# KiCad board panel.opm-inline.kicad_pcb (continued)
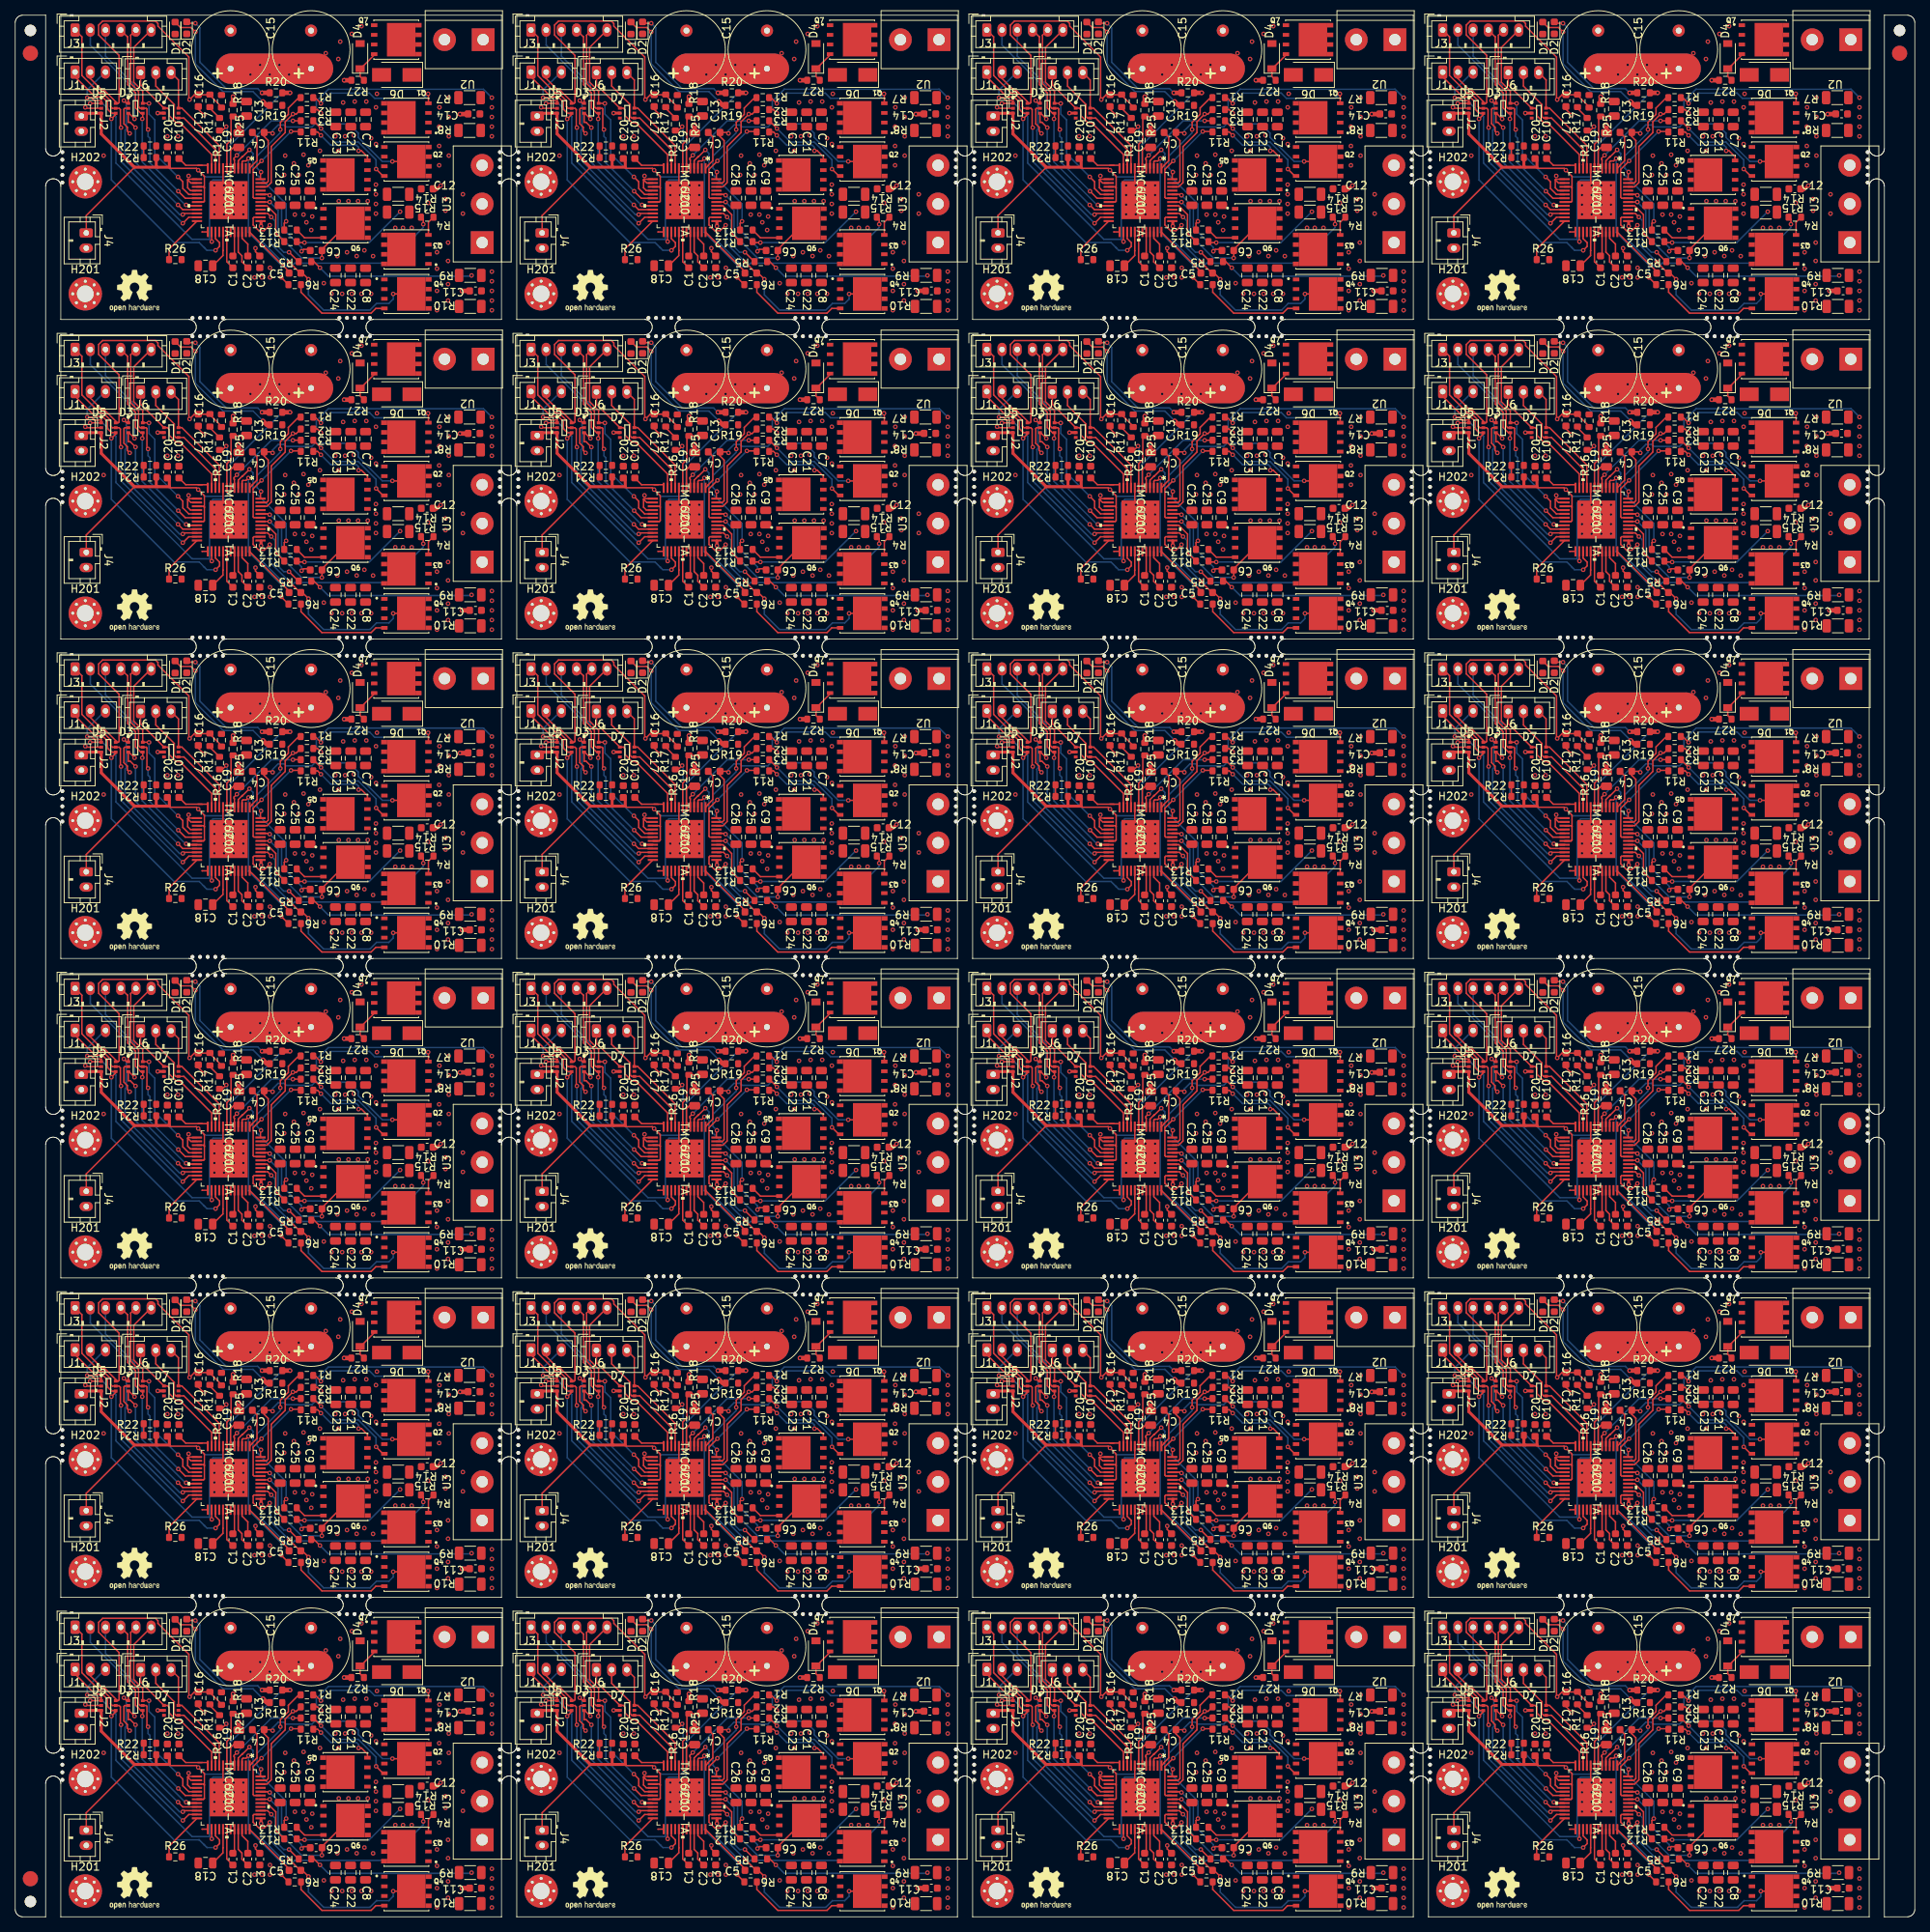
[diagram p0: board, top side]
## Placement (name value [footprint] x y rotation side) (continued)
H202#22  MountingHole  [MountingHole_2.2mm_M2_Pad_Via]  69.17 102.1 0 top
H202#23  MountingHole  [MountingHole_2.2mm_M2_Pad_Via]  69.17 18.12 0 top
H202#24  MountingHole  [MountingHole_2.2mm_M2_Pad_Via]  9.21 228.07 0 top
HS1  Heatsink  [OSHW-Logo2_7.3x6mm_SilkScreen]  195.54 45.76 0 top
HS1#2  Heatsink  [OSHW-Logo2_7.3x6mm_SilkScreen]  75.64 87.75 0 top
HS1#3  Heatsink  [OSHW-Logo2_7.3x6mm_SilkScreen]  75.64 129.74 0 top
HS1#4  Heatsink  [OSHW-Logo2_7.3x6mm_SilkScreen]  15.69 213.72 0 top
HS1#5  Heatsink  [OSHW-Logo2_7.3x6mm_SilkScreen]  135.59 3.77 0 top
HS1#6  Heatsink  [OSHW-Logo2_7.3x6mm_SilkScreen]  195.54 129.74 0 top
HS1#7  Heatsink  [OSHW-Logo2_7.3x6mm_SilkScreen]  75.64 171.73 0 top
HS1#8  Heatsink  [OSHW-Logo2_7.3x6mm_SilkScreen]  135.59 129.74 0 top
HS1#9  Heatsink  [OSHW-Logo2_7.3x6mm_SilkScreen]  195.54 171.73 0 top
HS1#10  Heatsink  [OSHW-Logo2_7.3x6mm_SilkScreen]  75.64 45.76 0 top
HS1#11  Heatsink  [OSHW-Logo2_7.3x6mm_SilkScreen]  195.54 87.75 0 top
HS1#12  Heatsink  [OSHW-Logo2_7.3x6mm_SilkScreen]  75.64 3.77 0 top
HS1#13  Heatsink  [OSHW-Logo2_7.3x6mm_SilkScreen]  15.69 45.76 0 top
HS1#14  Heatsink  [OSHW-Logo2_7.3x6mm_SilkScreen]  195.54 213.72 0 top
HS1#15  Heatsink  [OSHW-Logo2_7.3x6mm_SilkScreen]  135.59 213.72 0 top
HS1#16  Heatsink  [OSHW-Logo2_7.3x6mm_SilkScreen]  15.69 3.77 0 top
HS1#17  Heatsink  [OSHW-Logo2_7.3x6mm_SilkScreen]  75.64 213.72 0 top
HS1#18  Heatsink  [OSHW-Logo2_7.3x6mm_SilkScreen]  135.59 171.73 0 top
HS1#19  Heatsink  [OSHW-Logo2_7.3x6mm_SilkScreen]  135.59 45.76 0 top
HS1#20  Heatsink  [OSHW-Logo2_7.3x6mm_SilkScreen]  135.59 87.75 0 top
HS1#21  Heatsink  [OSHW-Logo2_7.3x6mm_SilkScreen]  195.54 3.77 0 top
HS1#22  Heatsink  [OSHW-Logo2_7.3x6mm_SilkScreen]  15.69 87.75 0 top
HS1#23  Heatsink  [OSHW-Logo2_7.3x6mm_SilkScreen]  15.69 171.73 0 top
HS1#24  Heatsink  [OSHW-Logo2_7.3x6mm_SilkScreen]  15.69 129.74 0 top
IC1  -  [TMC6200-TA]  147.98 99.68 270 top
IC1#2  -  [TMC6200-TA]  28.08 57.69 270 top
IC1#3  -  [TMC6200-TA]  28.08 225.65 270 top
IC1#4  -  [TMC6200-TA]  147.98 141.67 270 top
IC1#5  -  [TMC6200-TA]  147.98 183.66 270 top
IC1#6  -  [TMC6200-TA]  207.93 183.66 270 top
IC1#7  -  [TMC6200-TA]  88.03 183.66 270 top
IC1#8  -  [TMC6200-TA]  207.93 141.67 270 top
IC1#9  -  [TMC6200-TA]  207.93 99.68 270 top
IC1#10  -  [TMC6200-TA]  207.93 225.65 270 top
IC1#11  -  [TMC6200-TA]  147.98 225.65 270 top
IC1#12  -  [TMC6200-TA]  28.08 183.66 270 top
IC1#13  -  [TMC6200-TA]  88.03 141.67 270 top
IC1#14  -  [TMC6200-TA]  28.08 15.7 270 top
IC1#15  -  [TMC6200-TA]  207.93 15.7 270 top
IC1#16  -  [TMC6200-TA]  88.03 225.65 270 top
IC1#17  -  [TMC6200-TA]  147.98 15.7 270 top
IC1#18  -  [TMC6200-TA]  207.93 57.69 270 top
IC1#19  -  [TMC6200-TA]  88.03 99.68 270 top
IC1#20  -  [TMC6200-TA]  147.98 57.69 270 top
IC1#21  -  [TMC6200-TA]  88.03 57.69 270 top
IC1#22  -  [TMC6200-TA]  28.08 99.68 270 top
IC1#23  -  [TMC6200-TA]  28.08 141.67 270 top
IC1#24  -  [TMC6200-TA]  88.03 15.7 270 top
J1  Info  [JST_PH_B3B-PH-K_1x03_P2.00mm_Vertical]  67.82 158.5 0 top
J1#2  Info  [JST_PH_B3B-PH-K_1x03_P2.00mm_Vertical]  127.77 116.51 0 top
J1#3  Info  [JST_PH_B3B-PH-K_1x03_P2.00mm_Vertical]  67.82 32.53 0 top
J1#4  Info  [JST_PH_B3B-PH-K_1x03_P2.00mm_Vertical]  67.82 116.51 0 top
J1#5  Info  [JST_PH_B3B-PH-K_1x03_P2.00mm_Vertical]  187.72 242.48 0 top
J1#6  Info  [JST_PH_B3B-PH-K_1x03_P2.00mm_Vertical]  7.87 116.51 0 top
J1#7  Info  [JST_PH_B3B-PH-K_1x03_P2.00mm_Vertical]  7.87 200.49 0 top
J1#8  Info  [JST_PH_B3B-PH-K_1x03_P2.00mm_Vertical]  187.72 158.5 0 top
J1#9  Info  [JST_PH_B3B-PH-K_1x03_P2.00mm_Vertical]  7.87 242.48 0 top
J1#10  Info  [JST_PH_B3B-PH-K_1x03_P2.00mm_Vertical]  7.87 74.52 0 top
J1#11  Info  [JST_PH_B3B-PH-K_1x03_P2.00mm_Vertical]  7.87 158.5 0 top
J1#12  Info  [JST_PH_B3B-PH-K_1x03_P2.00mm_Vertical]  7.87 32.53 0 top
J1#13  Info  [JST_PH_B3B-PH-K_1x03_P2.00mm_Vertical]  127.77 242.48 0 top
J1#14  Info  [JST_PH_B3B-PH-K_1x03_P2.00mm_Vertical]  67.82 200.49 0 top
J1#15  Info  [JST_PH_B3B-PH-K_1x03_P2.00mm_Vertical]  67.82 242.48 0 top
J1#16  Info  [JST_PH_B3B-PH-K_1x03_P2.00mm_Vertical]  127.77 74.52 0 top
J1#17  Info  [JST_PH_B3B-PH-K_1x03_P2.00mm_Vertical]  187.72 32.53 0 top
J1#18  Info  [JST_PH_B3B-PH-K_1x03_P2.00mm_Vertical]  127.77 200.49 0 top
J1#19  Info  [JST_PH_B3B-PH-K_1x03_P2.00mm_Vertical]  187.72 200.49 0 top
J1#20  Info  [JST_PH_B3B-PH-K_1x03_P2.00mm_Vertical]  127.77 158.5 0 top
J1#21  Info  [JST_PH_B3B-PH-K_1x03_P2.00mm_Vertical]  187.72 74.52 0 top
J1#22  Info  [JST_PH_B3B-PH-K_1x03_P2.00mm_Vertical]  187.72 116.51 0 top
J1#23  Info  [JST_PH_B3B-PH-K_1x03_P2.00mm_Vertical]  67.82 74.52 0 top
J1#24  Info  [JST_PH_B3B-PH-K_1x03_P2.00mm_Vertical]  127.77 32.53 0 top
J2  VCC_IO  [JST_PH_B2B-PH-K_1x02_P2.00mm_Vertical]  8.71 68.74 270 top
J2#2  VCC_IO  [JST_PH_B2B-PH-K_1x02_P2.00mm_Vertical]  128.61 194.71 270 top
J2#3  VCC_IO  [JST_PH_B2B-PH-K_1x02_P2.00mm_Vertical]  8.71 194.71 270 top
J2#4  VCC_IO  [JST_PH_B2B-PH-K_1x02_P2.00mm_Vertical]  68.66 110.73 270 top
J2#5  VCC_IO  [JST_PH_B2B-PH-K_1x02_P2.00mm_Vertical]  188.56 152.72 270 top
J2#6  VCC_IO  [JST_PH_B2B-PH-K_1x02_P2.00mm_Vertical]  8.71 110.73 270 top
J2#7  VCC_IO  [JST_PH_B2B-PH-K_1x02_P2.00mm_Vertical]  188.56 236.7 270 top
J2#8  VCC_IO  [JST_PH_B2B-PH-K_1x02_P2.00mm_Vertical]  188.56 68.74 270 top
J2#9  VCC_IO  [JST_PH_B2B-PH-K_1x02_P2.00mm_Vertical]  128.61 68.74 270 top
J2#10  VCC_IO  [JST_PH_B2B-PH-K_1x02_P2.00mm_Vertical]  188.56 26.75 270 top
J2#11  VCC_IO  [JST_PH_B2B-PH-K_1x02_P2.00mm_Vertical]  188.56 110.73 270 top
J2#12  VCC_IO  [JST_PH_B2B-PH-K_1x02_P2.00mm_Vertical]  68.66 26.75 270 top
J2#13  VCC_IO  [JST_PH_B2B-PH-K_1x02_P2.00mm_Vertical]  188.56 194.71 270 top
J2#14  VCC_IO  [JST_PH_B2B-PH-K_1x02_P2.00mm_Vertical]  8.71 236.7 270 top
J2#15  VCC_IO  [JST_PH_B2B-PH-K_1x02_P2.00mm_Vertical]  8.71 152.72 270 top
J2#16  VCC_IO  [JST_PH_B2B-PH-K_1x02_P2.00mm_Vertical]  128.61 26.75 270 top
J2#17  VCC_IO  [JST_PH_B2B-PH-K_1x02_P2.00mm_Vertical]  68.66 194.71 270 top
J2#18  VCC_IO  [JST_PH_B2B-PH-K_1x02_P2.00mm_Vertical]  128.61 236.7 270 top
J2#19  VCC_IO  [JST_PH_B2B-PH-K_1x02_P2.00mm_Vertical]  128.61 152.72 270 top
J2#20  VCC_IO  [JST_PH_B2B-PH-K_1x02_P2.00mm_Vertical]  68.66 152.72 270 top
J2#21  VCC_IO  [JST_PH_B2B-PH-K_1x02_P2.00mm_Vertical]  8.71 26.75 270 top
J2#22  VCC_IO  [JST_PH_B2B-PH-K_1x02_P2.00mm_Vertical]  68.66 68.74 270 top
J2#23  VCC_IO  [JST_PH_B2B-PH-K_1x02_P2.00mm_Vertical]  68.66 236.7 270 top
J2#24  VCC_IO  [JST_PH_B2B-PH-K_1x02_P2.00mm_Vertical]  128.61 110.73 270 top
J3  PWMx6  [JST_PH_B6B-PH-K_1x06_P2.00mm_Vertical]  67.82 122.04 0 top
J3#2  PWMx6  [JST_PH_B6B-PH-K_1x06_P2.00mm_Vertical]  67.82 248.01 0 top
J3#3  PWMx6  [JST_PH_B6B-PH-K_1x06_P2.00mm_Vertical]  187.72 122.04 0 top
J3#4  PWMx6  [JST_PH_B6B-PH-K_1x06_P2.00mm_Vertical]  7.87 122.04 0 top
J3#5  PWMx6  [JST_PH_B6B-PH-K_1x06_P2.00mm_Vertical]  127.77 164.03 0 top
J3#6  PWMx6  [JST_PH_B6B-PH-K_1x06_P2.00mm_Vertical]  127.77 80.05 0 top
J3#7  PWMx6  [JST_PH_B6B-PH-K_1x06_P2.00mm_Vertical]  67.82 38.06 0 top
J3#8  PWMx6  [JST_PH_B6B-PH-K_1x06_P2.00mm_Vertical]  187.72 164.03 0 top
J3#9  PWMx6  [JST_PH_B6B-PH-K_1x06_P2.00mm_Vertical]  7.87 80.05 0 top
J3#10  PWMx6  [JST_PH_B6B-PH-K_1x06_P2.00mm_Vertical]  187.72 80.05 0 top
J3#11  PWMx6  [JST_PH_B6B-PH-K_1x06_P2.00mm_Vertical]  67.82 206.02 0 top
J3#12  PWMx6  [JST_PH_B6B-PH-K_1x06_P2.00mm_Vertical]  127.77 38.06 0 top
J3#13  PWMx6  [JST_PH_B6B-PH-K_1x06_P2.00mm_Vertical]  7.87 248.01 0 top
J3#14  PWMx6  [JST_PH_B6B-PH-K_1x06_P2.00mm_Vertical]  187.72 38.06 0 top
J3#15  PWMx6  [JST_PH_B6B-PH-K_1x06_P2.00mm_Vertical]  127.77 206.02 0 top
J3#16  PWMx6  [JST_PH_B6B-PH-K_1x06_P2.00mm_Vertical]  7.87 164.03 0 top
J3#17  PWMx6  [JST_PH_B6B-PH-K_1x06_P2.00mm_Vertical]  187.72 206.02 0 top
J3#18  PWMx6  [JST_PH_B6B-PH-K_1x06_P2.00mm_Vertical]  67.82 80.05 0 top
J3#19  PWMx6  [JST_PH_B6B-PH-K_1x06_P2.00mm_Vertical]  187.72 248.01 0 top
J3#20  PWMx6  [JST_PH_B6B-PH-K_1x06_P2.00mm_Vertical]  127.77 122.04 0 top
J3#21  PWMx6  [JST_PH_B6B-PH-K_1x06_P2.00mm_Vertical]  7.87 38.06 0 top
J3#22  PWMx6  [JST_PH_B6B-PH-K_1x06_P2.00mm_Vertical]  7.87 206.02 0 top
J3#23  PWMx6  [JST_PH_B6B-PH-K_1x06_P2.00mm_Vertical]  67.82 164.03 0 top
J3#24  PWMx6  [JST_PH_B6B-PH-K_1x06_P2.00mm_Vertical]  127.77 248.01 0 top
J4  Fan  [JST_PH_B2B-PH-K_1x02_P2.00mm_Vertical]  69.29 95.37 270 top
J4#2  Fan  [JST_PH_B2B-PH-K_1x02_P2.00mm_Vertical]  129.24 11.39 270 top
J4#3  Fan  [JST_PH_B2B-PH-K_1x02_P2.00mm_Vertical]  9.34 137.36 270 top
J4#4  Fan  [JST_PH_B2B-PH-K_1x02_P2.00mm_Vertical]  69.29 53.38 270 top
J4#5  Fan  [JST_PH_B2B-PH-K_1x02_P2.00mm_Vertical]  9.34 53.38 270 top
J4#6  Fan  [JST_PH_B2B-PH-K_1x02_P2.00mm_Vertical]  189.19 137.36 270 top
J4#7  Fan  [JST_PH_B2B-PH-K_1x02_P2.00mm_Vertical]  129.24 221.34 270 top
J4#8  Fan  [JST_PH_B2B-PH-K_1x02_P2.00mm_Vertical]  69.29 11.39 270 top
J4#9  Fan  [JST_PH_B2B-PH-K_1x02_P2.00mm_Vertical]  9.34 11.39 270 top
J4#10  Fan  [JST_PH_B2B-PH-K_1x02_P2.00mm_Vertical]  9.34 95.37 270 top
J4#11  Fan  [JST_PH_B2B-PH-K_1x02_P2.00mm_Vertical]  9.34 221.34 270 top
J4#12  Fan  [JST_PH_B2B-PH-K_1x02_P2.00mm_Vertical]  129.24 137.36 270 top
J4#13  Fan  [JST_PH_B2B-PH-K_1x02_P2.00mm_Vertical]  69.29 137.36 270 top
J4#14  Fan  [JST_PH_B2B-PH-K_1x02_P2.00mm_Vertical]  189.19 179.35 270 top
J4#15  Fan  [JST_PH_B2B-PH-K_1x02_P2.00mm_Vertical]  69.29 179.35 270 top
J4#16  Fan  [JST_PH_B2B-PH-K_1x02_P2.00mm_Vertical]  189.19 221.34 270 top
J4#17  Fan  [JST_PH_B2B-PH-K_1x02_P2.00mm_Vertical]  9.34 179.35 270 top
J4#18  Fan  [JST_PH_B2B-PH-K_1x02_P2.00mm_Vertical]  69.29 221.34 270 top
J4#19  Fan  [JST_PH_B2B-PH-K_1x02_P2.00mm_Vertical]  189.19 11.39 270 top
J4#20  Fan  [JST_PH_B2B-PH-K_1x02_P2.00mm_Vertical]  129.24 95.37 270 top
J4#21  Fan  [JST_PH_B2B-PH-K_1x02_P2.00mm_Vertical]  129.24 179.35 270 top
J4#22  Fan  [JST_PH_B2B-PH-K_1x02_P2.00mm_Vertical]  129.24 53.38 270 top
J4#23  Fan  [JST_PH_B2B-PH-K_1x02_P2.00mm_Vertical]  189.19 53.38 270 top
J4#24  Fan  [JST_PH_B2B-PH-K_1x02_P2.00mm_Vertical]  189.19 95.37 270 top
J6  Current Sensing  [JST_PH_B3B-PH-K_1x03_P2.00mm_Vertical]  76.44 116.45 0 top
J6#2  Current Sensing  [JST_PH_B3B-PH-K_1x03_P2.00mm_Vertical]  136.39 158.44 0 top
J6#3  Current Sensing  [JST_PH_B3B-PH-K_1x03_P2.00mm_Vertical]  16.49 116.45 0 top
J6#4  Current Sensing  [JST_PH_B3B-PH-K_1x03_P2.00mm_Vertical]  76.44 74.46 0 top
J6#5  Current Sensing  [JST_PH_B3B-PH-K_1x03_P2.00mm_Vertical]  16.49 200.43 0 top
J6#6  Current Sensing  [JST_PH_B3B-PH-K_1x03_P2.00mm_Vertical]  76.44 32.47 0 top
J6#7  Current Sensing  [JST_PH_B3B-PH-K_1x03_P2.00mm_Vertical]  136.39 242.42 0 top
J6#8  Current Sensing  [JST_PH_B3B-PH-K_1x03_P2.00mm_Vertical]  16.49 74.46 0 top
J6#9  Current Sensing  [JST_PH_B3B-PH-K_1x03_P2.00mm_Vertical]  136.39 32.47 0 top
J6#10  Current Sensing  [JST_PH_B3B-PH-K_1x03_P2.00mm_Vertical]  196.34 32.47 0 top
J6#11  Current Sensing  [JST_PH_B3B-PH-K_1x03_P2.00mm_Vertical]  16.49 242.42 0 top
J6#12  Current Sensing  [JST_PH_B3B-PH-K_1x03_P2.00mm_Vertical]  76.44 200.43 0 top
J6#13  Current Sensing  [JST_PH_B3B-PH-K_1x03_P2.00mm_Vertical]  196.34 200.43 0 top
J6#14  Current Sensing  [JST_PH_B3B-PH-K_1x03_P2.00mm_Vertical]  16.49 158.44 0 top
J6#15  Current Sensing  [JST_PH_B3B-PH-K_1x03_P2.00mm_Vertical]  196.34 158.44 0 top
J6#16  Current Sensing  [JST_PH_B3B-PH-K_1x03_P2.00mm_Vertical]  196.34 242.42 0 top
J6#17  Current Sensing  [JST_PH_B3B-PH-K_1x03_P2.00mm_Vertical]  196.34 74.46 0 top
J6#18  Current Sensing  [JST_PH_B3B-PH-K_1x03_P2.00mm_Vertical]  196.34 116.45 0 top
J6#19  Current Sensing  [JST_PH_B3B-PH-K_1x03_P2.00mm_Vertical]  16.49 32.47 0 top
J6#20  Current Sensing  [JST_PH_B3B-PH-K_1x03_P2.00mm_Vertical]  136.39 200.43 0 top
J6#21  Current Sensing  [JST_PH_B3B-PH-K_1x03_P2.00mm_Vertical]  76.44 242.42 0 top
J6#22  Current Sensing  [JST_PH_B3B-PH-K_1x03_P2.00mm_Vertical]  76.44 158.44 0 top
J6#23  Current Sensing  [JST_PH_B3B-PH-K_1x03_P2.00mm_Vertical]  136.39 74.46 0 top
J6#24  Current Sensing  [JST_PH_B3B-PH-K_1x03_P2.00mm_Vertical]  136.39 116.45 0 top
Q1  HYG025N06LS1C2  [PDFN-8]  51.44 110.51 180 top
Q1#2  HYG025N06LS1C2  [PDFN-8]  111.39 194.49 180 top
Q1#3  HYG025N06LS1C2  [PDFN-8]  111.39 236.48 180 top
Q1#4  HYG025N06LS1C2  [PDFN-8]  171.34 68.52 180 top
Q1#5  HYG025N06LS1C2  [PDFN-8]  171.34 152.5 180 top
Q1#6  HYG025N06LS1C2  [PDFN-8]  51.44 236.48 180 top
Q1#7  HYG025N06LS1C2  [PDFN-8]  231.29 26.53 180 top
Q1#8  HYG025N06LS1C2  [PDFN-8]  51.44 152.5 180 top
Q1#9  HYG025N06LS1C2  [PDFN-8]  231.29 68.52 180 top
Q1#10  HYG025N06LS1C2  [PDFN-8]  51.44 194.49 180 top
Q1#11  HYG025N06LS1C2  [PDFN-8]  231.29 110.51 180 top
Q1#12  HYG025N06LS1C2  [PDFN-8]  51.44 68.52 180 top
Q1#13  HYG025N06LS1C2  [PDFN-8]  231.29 194.49 180 top
Q1#14  HYG025N06LS1C2  [PDFN-8]  111.39 110.51 180 top
Q1#15  HYG025N06LS1C2  [PDFN-8]  171.34 110.51 180 top
Q1#16  HYG025N06LS1C2  [PDFN-8]  111.39 152.5 180 top
Q1#17  HYG025N06LS1C2  [PDFN-8]  51.44 26.53 180 top
Q1#18  HYG025N06LS1C2  [PDFN-8]  111.39 26.53 180 top
Q1#19  HYG025N06LS1C2  [PDFN-8]  231.29 236.48 180 top
Q1#20  HYG025N06LS1C2  [PDFN-8]  231.29 152.5 180 top
Q1#21  HYG025N06LS1C2  [PDFN-8]  111.39 68.52 180 top
Q1#22  HYG025N06LS1C2  [PDFN-8]  171.34 236.48 180 top
Q1#23  HYG025N06LS1C2  [PDFN-8]  171.34 26.53 180 top
Q1#24  HYG025N06LS1C2  [PDFN-8]  171.34 194.49 180 top
Q2  HYG025N06LS1C2  [PDFN-8]  171.34 104.76 0 top
Q2#2  HYG025N06LS1C2  [PDFN-8]  231.29 20.78 0 top
Q2#3  HYG025N06LS1C2  [PDFN-8]  171.34 62.77 0 top
Q2#4  HYG025N06LS1C2  [PDFN-8]  171.34 188.74 0 top
Q2#5  HYG025N06LS1C2  [PDFN-8]  51.44 230.73 0 top
Q2#6  HYG025N06LS1C2  [PDFN-8]  51.44 104.76 0 top
Q2#7  HYG025N06LS1C2  [PDFN-8]  231.29 188.74 0 top
Q2#8  HYG025N06LS1C2  [PDFN-8]  111.39 104.76 0 top
Q2#9  HYG025N06LS1C2  [PDFN-8]  51.44 20.78 0 top
Q2#10  HYG025N06LS1C2  [PDFN-8]  111.39 146.75 0 top
Q2#11  HYG025N06LS1C2  [PDFN-8]  231.29 146.75 0 top
Q2#12  HYG025N06LS1C2  [PDFN-8]  51.44 62.77 0 top
Q2#13  HYG025N06LS1C2  [PDFN-8]  171.34 230.73 0 top
Q2#14  HYG025N06LS1C2  [PDFN-8]  171.34 146.75 0 top
Q2#15  HYG025N06LS1C2  [PDFN-8]  231.29 62.77 0 top
Q2#16  HYG025N06LS1C2  [PDFN-8]  231.29 104.76 0 top
Q2#17  HYG025N06LS1C2  [PDFN-8]  171.34 20.78 0 top
Q2#18  HYG025N06LS1C2  [PDFN-8]  111.39 20.78 0 top
Q2#19  HYG025N06LS1C2  [PDFN-8]  231.29 230.73 0 top
Q2#20  HYG025N06LS1C2  [PDFN-8]  51.44 188.74 0 top
Q2#21  HYG025N06LS1C2  [PDFN-8]  111.39 62.77 0 top
Q2#22  HYG025N06LS1C2  [PDFN-8]  111.39 230.73 0 top
Q2#23  HYG025N06LS1C2  [PDFN-8]  51.44 146.75 0 top
Q2#24  HYG025N06LS1C2  [PDFN-8]  111.39 188.74 0 top
Q3  HYG025N06LS1C2  [PDFN-8]  231.29 135.19 180 top
Q3#2  HYG025N06LS1C2  [PDFN-8]  111.39 219.17 180 top
Q3#3  HYG025N06LS1C2  [PDFN-8]  231.29 9.22 180 top
Q3#4  HYG025N06LS1C2  [PDFN-8]  171.34 51.21 180 top
Q3#5  HYG025N06LS1C2  [PDFN-8]  171.34 177.18 180 top
Q3#6  HYG025N06LS1C2  [PDFN-8]  171.34 135.19 180 top
Q3#7  HYG025N06LS1C2  [PDFN-8]  111.39 9.22 180 top
Q3#8  HYG025N06LS1C2  [PDFN-8]  171.34 219.17 180 top
Q3#9  HYG025N06LS1C2  [PDFN-8]  51.44 51.21 180 top
Q3#10  HYG025N06LS1C2  [PDFN-8]  171.34 9.22 180 top
Q3#11  HYG025N06LS1C2  [PDFN-8]  231.29 51.21 180 top
Q3#12  HYG025N06LS1C2  [PDFN-8]  51.44 177.18 180 top
Q3#13  HYG025N06LS1C2  [PDFN-8]  51.44 93.2 180 top
Q3#14  HYG025N06LS1C2  [PDFN-8]  51.44 9.22 180 top
Q3#15  HYG025N06LS1C2  [PDFN-8]  111.39 51.21 180 top
Q3#16  HYG025N06LS1C2  [PDFN-8]  111.39 177.18 180 top
Q3#17  HYG025N06LS1C2  [PDFN-8]  51.44 135.19 180 top
Q3#18  HYG025N06LS1C2  [PDFN-8]  171.34 93.2 180 top
Q3#19  HYG025N06LS1C2  [PDFN-8]  111.39 93.2 180 top
Q3#20  HYG025N06LS1C2  [PDFN-8]  51.44 219.17 180 top
Q3#21  HYG025N06LS1C2  [PDFN-8]  111.39 135.19 180 top
Q3#22  HYG025N06LS1C2  [PDFN-8]  231.29 177.18 180 top
Q3#23  HYG025N06LS1C2  [PDFN-8]  231.29 219.17 180 top
Q3#24  HYG025N06LS1C2  [PDFN-8]  231.29 93.2 180 top
Q4  HYG025N06LS1C2  [PDFN-8]  171.34 129.34 0 top
Q4#2  HYG025N06LS1C2  [PDFN-8]  231.29 129.34 0 top
Q4#3  HYG025N06LS1C2  [PDFN-8]  171.34 45.36 0 top
Q4#4  HYG025N06LS1C2  [PDFN-8]  231.29 213.32 0 top
Q4#5  HYG025N06LS1C2  [PDFN-8]  231.29 171.33 0 top
Q4#6  HYG025N06LS1C2  [PDFN-8]  231.29 45.36 0 top
Q4#7  HYG025N06LS1C2  [PDFN-8]  51.44 3.37 0 top
Q4#8  HYG025N06LS1C2  [PDFN-8]  111.39 87.35 0 top
Q4#9  HYG025N06LS1C2  [PDFN-8]  171.34 213.32 0 top
Q4#10  HYG025N06LS1C2  [PDFN-8]  111.39 45.36 0 top
Q4#11  HYG025N06LS1C2  [PDFN-8]  111.39 171.33 0 top
Q4#12  HYG025N06LS1C2  [PDFN-8]  231.29 87.35 0 top
Q4#13  HYG025N06LS1C2  [PDFN-8]  231.29 3.37 0 top
Q4#14  HYG025N06LS1C2  [PDFN-8]  111.39 129.34 0 top
Q4#15  HYG025N06LS1C2  [PDFN-8]  51.44 87.35 0 top
Q4#16  HYG025N06LS1C2  [PDFN-8]  51.44 213.32 0 top
Q4#17  HYG025N06LS1C2  [PDFN-8]  171.34 171.33 0 top
Q4#18  HYG025N06LS1C2  [PDFN-8]  171.34 87.35 0 top
Q4#19  HYG025N06LS1C2  [PDFN-8]  111.39 3.37 0 top
Q4#20  HYG025N06LS1C2  [PDFN-8]  171.34 3.37 0 top
Q4#21  HYG025N06LS1C2  [PDFN-8]  51.44 45.36 0 top
Q4#22  HYG025N06LS1C2  [PDFN-8]  51.44 129.34 0 top
Q4#23  HYG025N06LS1C2  [PDFN-8]  51.44 171.33 0 top
Q4#24  HYG025N06LS1C2  [PDFN-8]  111.39 213.32 0 top
Q5  HYG025N06LS1C2  [PDFN-8]  103.37 61 180 top
Q5#2  HYG025N06LS1C2  [PDFN-8]  43.42 186.97 180 top
Q5#3  HYG025N06LS1C2  [PDFN-8]  43.42 144.98 180 top
Q5#4  HYG025N06LS1C2  [PDFN-8]  43.42 228.96 180 top
Q5#5  HYG025N06LS1C2  [PDFN-8]  223.27 186.97 180 top
Q5#6  HYG025N06LS1C2  [PDFN-8]  223.27 19.01 180 top
Q5#7  HYG025N06LS1C2  [PDFN-8]  103.37 186.97 180 top
Q5#8  HYG025N06LS1C2  [PDFN-8]  103.37 144.98 180 top
Q5#9  HYG025N06LS1C2  [PDFN-8]  223.27 102.99 180 top
Q5#10  HYG025N06LS1C2  [PDFN-8]  103.37 102.99 180 top
Q5#11  HYG025N06LS1C2  [PDFN-8]  43.42 61 180 top
Q5#12  HYG025N06LS1C2  [PDFN-8]  103.37 228.96 180 top
Q5#13  HYG025N06LS1C2  [PDFN-8]  163.32 144.98 180 top
Q5#14  HYG025N06LS1C2  [PDFN-8]  223.27 61 180 top
Q5#15  HYG025N06LS1C2  [PDFN-8]  223.27 144.98 180 top
Q5#16  HYG025N06LS1C2  [PDFN-8]  103.37 19.01 180 top
Q5#17  HYG025N06LS1C2  [PDFN-8]  163.32 228.96 180 top
Q5#18  HYG025N06LS1C2  [PDFN-8]  163.32 186.97 180 top
Q5#19  HYG025N06LS1C2  [PDFN-8]  43.42 19.01 180 top
Q5#20  HYG025N06LS1C2  [PDFN-8]  163.32 102.99 180 top
Q5#21  HYG025N06LS1C2  [PDFN-8]  43.42 102.99 180 top
Q5#22  HYG025N06LS1C2  [PDFN-8]  163.32 19.01 180 top
Q5#23  HYG025N06LS1C2  [PDFN-8]  223.27 228.96 180 top
Q5#24  HYG025N06LS1C2  [PDFN-8]  163.32 61 180 top
Q6  HYG025N06LS1C2  [PDFN-8]  103.38 12.66 0 top
Q6#2  HYG025N06LS1C2  [PDFN-8]  103.38 180.62 0 top
Q6#3  HYG025N06LS1C2  [PDFN-8]  223.28 138.63 0 top
Q6#4  HYG025N06LS1C2  [PDFN-8]  163.33 222.61 0 top
Q6#5  HYG025N06LS1C2  [PDFN-8]  223.28 222.61 0 top
Q6#6  HYG025N06LS1C2  [PDFN-8]  43.43 138.63 0 top
Q6#7  HYG025N06LS1C2  [PDFN-8]  163.33 96.64 0 top
Q6#8  HYG025N06LS1C2  [PDFN-8]  223.28 180.62 0 top
Q6#9  HYG025N06LS1C2  [PDFN-8]  103.38 222.61 0 top
Q6#10  HYG025N06LS1C2  [PDFN-8]  223.28 96.64 0 top
Q6#11  HYG025N06LS1C2  [PDFN-8]  43.43 54.65 0 top
Q6#12  HYG025N06LS1C2  [PDFN-8]  103.38 96.64 0 top
Q6#13  HYG025N06LS1C2  [PDFN-8]  163.33 138.63 0 top
Q6#14  HYG025N06LS1C2  [PDFN-8]  43.43 222.61 0 top
Q6#15  HYG025N06LS1C2  [PDFN-8]  43.43 180.62 0 top
Q6#16  HYG025N06LS1C2  [PDFN-8]  43.43 12.66 0 top
Q6#17  HYG025N06LS1C2  [PDFN-8]  163.33 180.62 0 top
Q6#18  HYG025N06LS1C2  [PDFN-8]  223.28 54.65 0 top
Q6#19  HYG025N06LS1C2  [PDFN-8]  163.33 54.65 0 top
Q6#20  HYG025N06LS1C2  [PDFN-8]  103.38 138.63 0 top
Q6#21  HYG025N06LS1C2  [PDFN-8]  223.28 12.66 0 top
Q6#22  HYG025N06LS1C2  [PDFN-8]  103.38 54.65 0 top
Q6#23  HYG025N06LS1C2  [PDFN-8]  43.43 96.64 0 top
Q6#24  HYG025N06LS1C2  [PDFN-8]  163.33 12.66 0 top
Q7  WSD90P06DN56  [PDFN-8]  110.06 78.78 0 top
Q7#2  WSD90P06DN56  [PDFN-8]  110.06 162.76 0 top
Q7#3  WSD90P06DN56  [PDFN-8]  229.96 120.77 0 top
Q7#4  WSD90P06DN56  [PDFN-8]  170.01 120.77 0 top
Q7#5  WSD90P06DN56  [PDFN-8]  50.11 120.77 0 top
Q7#6  WSD90P06DN56  [PDFN-8]  229.96 36.79 0 top
Q7#7  WSD90P06DN56  [PDFN-8]  170.01 246.74 0 top
Q7#8  WSD90P06DN56  [PDFN-8]  170.01 36.79 0 top
Q7#9  WSD90P06DN56  [PDFN-8]  110.06 36.79 0 top
Q7#10  WSD90P06DN56  [PDFN-8]  170.01 162.76 0 top
Q7#11  WSD90P06DN56  [PDFN-8]  229.96 204.75 0 top
Q7#12  WSD90P06DN56  [PDFN-8]  50.11 246.74 0 top
Q7#13  WSD90P06DN56  [PDFN-8]  50.11 204.75 0 top
Q7#14  WSD90P06DN56  [PDFN-8]  50.11 162.76 0 top
Q7#15  WSD90P06DN56  [PDFN-8]  50.11 78.78 0 top
Q7#16  WSD90P06DN56  [PDFN-8]  50.11 36.79 0 top
Q7#17  WSD90P06DN56  [PDFN-8]  229.96 246.74 0 top
Q7#18  WSD90P06DN56  [PDFN-8]  110.06 204.75 0 top
Q7#19  WSD90P06DN56  [PDFN-8]  229.96 78.78 0 top
Q7#20  WSD90P06DN56  [PDFN-8]  110.06 120.77 0 top
Q7#21  WSD90P06DN56  [PDFN-8]  229.96 162.76 0 top
Q7#22  WSD90P06DN56  [PDFN-8]  170.01 78.78 0 top
Q7#23  WSD90P06DN56  [PDFN-8]  110.06 246.74 0 top
Q7#24  WSD90P06DN56  [PDFN-8]  170.01 204.75 0 top
R1  2R2/1%  [R_0603_1608Metric]  98.31 71.16 180 top
R1#2  2R2/1%  [R_0603_1608Metric]  158.26 29.17 180 top
R1#3  2R2/1%  [R_0603_1608Metric]  38.36 29.17 180 top
R1#4  2R2/1%  [R_0603_1608Metric]  98.31 197.13 180 top
R1#5  2R2/1%  [R_0603_1608Metric]  98.31 29.17 180 top
R1#6  2R2/1%  [R_0603_1608Metric]  158.26 113.15 180 top
R1#7  2R2/1%  [R_0603_1608Metric]  218.21 71.16 180 top
R1#8  2R2/1%  [R_0603_1608Metric]  38.36 239.12 180 top
R1#9  2R2/1%  [R_0603_1608Metric]  218.21 155.14 180 top
R1#10  2R2/1%  [R_0603_1608Metric]  38.36 155.14 180 top
R1#11  2R2/1%  [R_0603_1608Metric]  98.31 155.14 180 top
R1#12  2R2/1%  [R_0603_1608Metric]  158.26 197.13 180 top
R1#13  2R2/1%  [R_0603_1608Metric]  98.31 239.12 180 top
R1#14  2R2/1%  [R_0603_1608Metric]  38.36 197.13 180 top
R1#15  2R2/1%  [R_0603_1608Metric]  218.21 113.15 180 top
R1#16  2R2/1%  [R_0603_1608Metric]  218.21 239.12 180 top
R1#17  2R2/1%  [R_0603_1608Metric]  218.21 29.17 180 top
R1#18  2R2/1%  [R_0603_1608Metric]  38.36 113.15 180 top
R1#19  2R2/1%  [R_0603_1608Metric]  158.26 71.16 180 top
R1#20  2R2/1%  [R_0603_1608Metric]  38.36 71.16 180 top
R1#21  2R2/1%  [R_0603_1608Metric]  158.26 239.12 180 top
R1#22  2R2/1%  [R_0603_1608Metric]  158.26 155.14 180 top
R1#23  2R2/1%  [R_0603_1608Metric]  218.21 197.13 180 top
R1#24  2R2/1%  [R_0603_1608Metric]  98.31 113.15 180 top
R2  10R/1%  [R_0603_1608Metric]  38.38 237.55 180 top
R2#2  10R/1%  [R_0603_1608Metric]  158.28 237.55 180 top
R2#3  10R/1%  [R_0603_1608Metric]  158.28 195.56 180 top
R2#4  10R/1%  [R_0603_1608Metric]  38.38 27.6 180 top
R2#5  10R/1%  [R_0603_1608Metric]  98.33 27.6 180 top
R2#6  10R/1%  [R_0603_1608Metric]  218.23 69.59 180 top
R2#7  10R/1%  [R_0603_1608Metric]  98.33 237.55 180 top
R2#8  10R/1%  [R_0603_1608Metric]  158.28 111.58 180 top
R2#9  10R/1%  [R_0603_1608Metric]  158.28 27.6 180 top
R2#10  10R/1%  [R_0603_1608Metric]  158.28 69.59 180 top
R2#11  10R/1%  [R_0603_1608Metric]  218.23 111.58 180 top
R2#12  10R/1%  [R_0603_1608Metric]  218.23 237.55 180 top
R2#13  10R/1%  [R_0603_1608Metric]  218.23 27.6 180 top
R2#14  10R/1%  [R_0603_1608Metric]  158.28 153.57 180 top
R2#15  10R/1%  [R_0603_1608Metric]  98.33 195.56 180 top
R2#16  10R/1%  [R_0603_1608Metric]  218.23 195.56 180 top
R2#17  10R/1%  [R_0603_1608Metric]  38.38 111.58 180 top
R2#18  10R/1%  [R_0603_1608Metric]  98.33 69.59 180 top
R2#19  10R/1%  [R_0603_1608Metric]  38.38 69.59 180 top
R2#20  10R/1%  [R_0603_1608Metric]  98.33 111.58 180 top
R2#21  10R/1%  [R_0603_1608Metric]  218.23 153.57 180 top
R2#22  10R/1%  [R_0603_1608Metric]  38.38 153.57 180 top
R2#23  10R/1%  [R_0603_1608Metric]  98.33 153.57 180 top
R2#24  10R/1%  [R_0603_1608Metric]  38.38 195.56 180 top
R3  2R2/1%  [R_0603_1608Metric]  158.28 68.12 180 top
R3#2  2R2/1%  [R_0603_1608Metric]  98.33 194.09 180 top
R3#3  2R2/1%  [R_0603_1608Metric]  38.38 236.08 180 top
R3#4  2R2/1%  [R_0603_1608Metric]  218.23 236.08 180 top
R3#5  2R2/1%  [R_0603_1608Metric]  38.38 152.1 180 top
R3#6  2R2/1%  [R_0603_1608Metric]  218.23 110.11 180 top
R3#7  2R2/1%  [R_0603_1608Metric]  218.23 194.09 180 top
R3#8  2R2/1%  [R_0603_1608Metric]  98.33 236.08 180 top
R3#9  2R2/1%  [R_0603_1608Metric]  158.28 26.13 180 top
R3#10  2R2/1%  [R_0603_1608Metric]  98.33 68.12 180 top
R3#11  2R2/1%  [R_0603_1608Metric]  158.28 152.1 180 top
R3#12  2R2/1%  [R_0603_1608Metric]  38.38 26.13 180 top
R3#13  2R2/1%  [R_0603_1608Metric]  98.33 110.11 180 top
R3#14  2R2/1%  [R_0603_1608Metric]  38.38 68.12 180 top
R3#15  2R2/1%  [R_0603_1608Metric]  38.38 194.09 180 top
R3#16  2R2/1%  [R_0603_1608Metric]  218.23 152.1 180 top
R3#17  2R2/1%  [R_0603_1608Metric]  98.33 26.13 180 top
R3#18  2R2/1%  [R_0603_1608Metric]  38.38 110.11 180 top
R3#19  2R2/1%  [R_0603_1608Metric]  98.33 152.1 180 top
R3#20  2R2/1%  [R_0603_1608Metric]  158.28 110.11 180 top
R3#21  2R2/1%  [R_0603_1608Metric]  158.28 236.08 180 top
R3#22  2R2/1%  [R_0603_1608Metric]  158.28 194.09 180 top
R3#23  2R2/1%  [R_0603_1608Metric]  218.23 26.13 180 top